# Altium PCB SPEC-A7.PcbDoc (part 6 of 10)
Units mil, origin at the board's own origin, x right, y up, seen from the top; angles counter-clockwise.
Board outline 6299.21 x 3937.01 mil, 6 copper layers (Top Layer, L2, L3, L4, L5, Bottom Layer), stack 61.319 mil thick; 731 components, 479 nets, 2733 pads, 1703 vias.
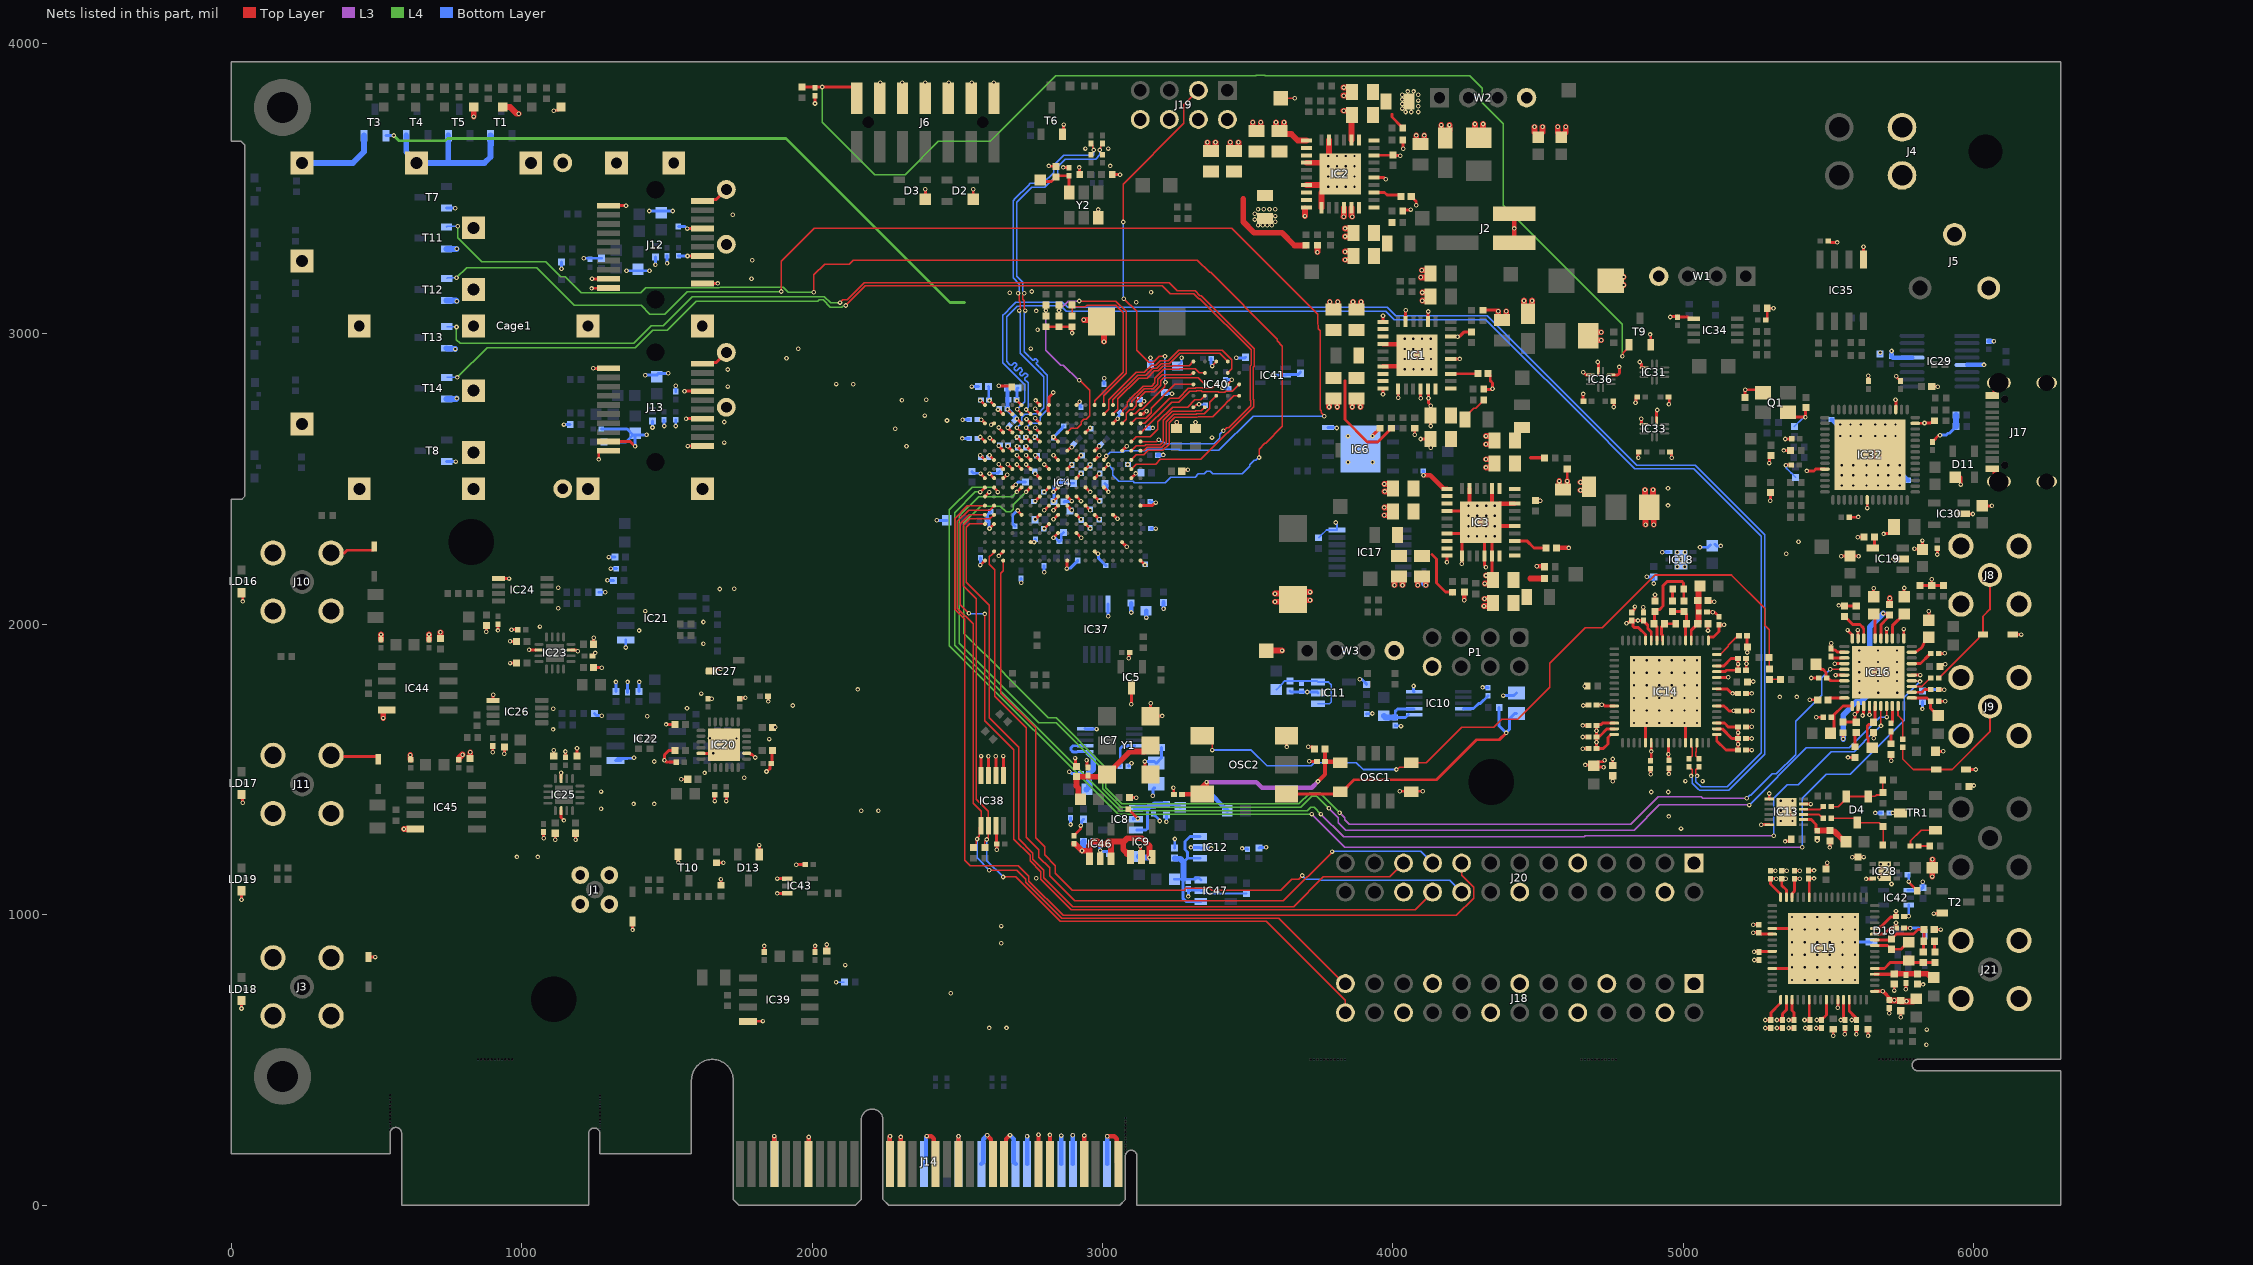
[diagram p10: the nets of this part, all layers, seen from the top]

## Via types
v1: diameter 15.75, hole 7.87, Top Layer to Bottom Layer, tented both sides, 1583 vias
v2: diameter 19.68, hole 7.87, Top Layer to Bottom Layer, tented both sides, 73 vias
v3: diameter 15.75, hole 7.87, Top Layer to Bottom Layer, 47 vias

## Nets (pads, with @x,y where several pads share a name; then routed paths per layer and width w, separated by ;. In a path a pad name is that pad's centre, name@x,y a point inside that pad or via, vN(x,y) a via of type N, cw(c..) or ccw(c..) an arc to the next point about the centre after c; other vN are vias at no path point) (continued)
GND: (continued)
  other v1: 5836.64,552.24 5837.41,604.61 2610.24,610.24 2669.29,610.24 2477.17,729.62 2114.17,826.77 2651.6,901.87 2651.6,960.93 5716.21,1105.86 2771.65,1125.98 5674.69,1129.04 5692.91,1149.61 5679.46,1174.09 5706.13,1174.09 983.73,1199.09 1054.98,1199.09 4991.5,1296.57 5335.28,1322.76 5375.28,1322.76 4949.74,1338.33 2169.29,1358.27 2228.35,1358.27 5335.28,1357.76 5375.28,1357.76 1273.41,1365 1385.4,1381.39 1456.66,1381.39 5335.28,1392.76 5375.28,1392.76 4888.9,1422.55 4947.95,1422.55 1273.41,1424.06 5006.84,1460.24 5065.89,1460.24 1766.34,1471.61 1629.92,1488.19 1456.69,1527.56 1659.67,1556.42 1852.58,1604.76 1739.67,1606.42 1108.25,1637.88 1432.74,1683.16 1108.54,1708.84 1569.38,1711.06 1933.07,1720.47 5901.02,1735.4 5331.07,1749.98 5390.12,1749.98 1618.17,1761.32 5606.06,1763.94 5671.06,1763.94 5736.06,1763.94 2157.48,1775.59 5605,1805 5670,1805 5735,1805 5605,1835 5670,1835 5735,1835 5605,1870 5670,1870 5735,1870 5605.14,1909.86 5670,1910 5735,1910 1625.98,1933.07 1404.4,1978.59 1062.99,1992.13 1625.98,2007.87 1425.82,2045.54 1125.98,2054.73 1682.51,2121.36 1732.28,2122.05 1125.98,2125.98 4873.28,2163.44 4978.18,2198.37 5004.85,2198.37 4991.64,2222.86 5354.24,2242.54 4978.3,2248.32 5004.97,2248.32 5396,2284.3 4260,2302.98 4289.25,2302.98 4320,2302.98 4350,2302.98 4260,2337.98 4320,2337.98 4350,2337.98 4260,2373.47 4290,2373.47 4320.75,2373.47 4350,2373.47 5632.76,2400.11 4260,2408.47 4290,2408.47 4320.75,2408.47 4350,2408.47 4946.83,2409.09 4946.83,2468.15 5545,2477.98 5585,2477.98 5630,2477.98 5670,2477.98 5705,2477.98 5745,2477.98 5545,2512.98 5585,2512.98 5630,2512.98 5670,2512.98 5705,2512.98 5545,2547.98 5585,2547.98 5630,2547.98 5670,2547.98 5705,2547.98 5745,2547.98 3845,2557.98 3929.63,2557.98 2325.03,2612.51 1697.68,2625.57 3376.86,2642.78 3845,2647.98 5540,2647.98 5575,2647.98 5610,2647.98 5660,2647.98 5695,2647.98 5730,2647.98 2286.07,2673.13 5575,2687.98 5610,2687.98 5660,2687.98 5695,2687.98 5730,2687.98 1697.68,2696.43 2464.48,2701.5 2388.31,2718.62 2309.39,2771.43 2393.17,2773.32 1709.49,2818.48 2082.87,2827.02 2141.73,2826.77 1710.02,2877.29 4040.63,2878.03 4070.63,2878.03 4100.63,2878.03 4130.63,2878.03 4040.63,2913.03 4070.63,2913.03 4100.63,2913.03 4130.63,2913.03 1911.81,2915.66 4040,2947.98 4070,2947.98 4100,2947.98 4130,2947.98 1952.76,2948.82 2752.76,2949.2 4040,2982.98 4070,2982.98 4100,2982.98 4130,2982.98 2776.31,3013.99 2771.65,3078.74 3116.22,3108.32 2680.35,3141.01 3167.16,3143.64 2755.91,3145.67 1791.43,3189.94 1793.63,3252.83 1726.89,3409.66 3777.19,3506.45 3807.19,3506.45 3837.19,3506.45 3867.19,3506.45 3777.19,3541.45 3807.19,3541.45 3837.19,3541.45 3867.19,3541.45 3777.19,3576.95 3807.19,3576.95 3837.19,3576.95 3867.19,3576.95 3026.22,3577.97 3777.19,3611.95 3807.19,3611.95 3837.19,3611.95 3867.19,3611.95 2940.94,3637.8 3019.68,3637.8
  other v2: 5374.02,775.59 5417.32,775.59 5460.63,775.59 5503.94,775.59 5547.24,775.59 5590.55,775.59 5374.02,818.9 5417.32,818.9 5460.63,818.9 5503.94,818.9 5547.24,818.9 5590.55,818.9 5374.02,862.2 5417.32,862.2 5460.63,862.2 5503.94,862.2 5547.24,862.2 5590.55,862.2 5374.02,905.51 5417.32,905.51 5460.63,905.51 5503.94,905.51 5547.24,905.51 5374.02,948.82 5417.32,948.82 5460.63,948.82 5503.94,948.82 5547.24,948.82 5590.55,948.82 5374.02,992.13 5417.32,992.13 5460.63,992.13 5503.94,992.13 5547.24,992.13 5590.55,992.13 4830.08,1659.75 4873.39,1659.75 4916.69,1659.75 4960,1659.75 5003.31,1659.75 5046.61,1659.75 4830.08,1703.06 4916.69,1703.06 4960,1703.06 5046.61,1703.06 4830.08,1746.36 4873.39,1746.36 5003.31,1746.36 5046.61,1746.36 4830.08,1789.67 4873.39,1789.67 4916.69,1789.67 4960,1789.67 5003.31,1789.67 5046.61,1789.67 4830.08,1832.98 4873.39,1832.98 4916.69,1832.98 4960,1832.98 5003.31,1832.98 5046.61,1832.98 4830.08,1876.28 4873.39,1876.28 4916.69,1876.28 4960,1876.28 5003.31,1876.28 5046.61,1876.28
GPIO0: IC4.M1 J20.17 | length 3316.8
  Top Layer w5: IC4.M1@2595.04,2408.49 2594.35,2407.8 2534.75,2407.8 2490.32,2363.36 2490.32,2051.78 2525,2017.09 2525,1187.98 2544.06,1168.92 2710.05,1168.92 2746.27,1132.69 2746.27,1115.47 2864.13,997.62 4217.72,997.62 4277.23,1057.12 4277.23,1094.94 4236.26,1135.91 J20.17@4236.26,1177.97
GPIO1: IC4.V3 J20.18 | length 2629.3
  Top Layer w5: IC4.V3@2658.03,2219.51 2658.03,2184.64 2649.63,2176.23 2649.63,1763.35 2769.93,1643.05 2769.93,1264.44 2800.42,1233.94 2800.42,1206.88 2837.85,1169.45 2837.85,1143.1 2895.95,1085 3281.17,1085 3286.81,1090.64 3369.93,1090.64 3375.56,1085 3612.88,1085 3650.86,1122.98 3674.72,1122.98 3686.7,1134.96 v1(3688.02,1134.96)
  Bottom Layer w5: v1(3688.02,1134.96) 3700,1122.98 3745.74,1122.98 3749.78,1118.94 4195.3,1118.94 J20.18@4236.26,1077.97
GPIO2: IC4.U2 J20.19 | length 2652.4
  Top Layer w5: IC4.U2@2626.54,2251.01 2626.54,2248.63 2619.43,2241.53 2619.43,2240.91 2610.51,2231.99 2610.51,2207.47 2629.63,2188.35 2629.63,1751.88 2737.51,1643.99 2737.51,1266.1 2780.42,1223.19 2780.42,1198.6 2817.85,1161.17 2817.85,1134.81 2905.05,1047.62 3622.42,1047.62 3790.31,1215.51 v1(3790.31,1217.56)
  Bottom Layer w5: v1(3790.31,1217.56) 3791.68,1218.94 4095.3,1218.94 J20.19@4136.26,1177.97
GPIO3: IC4.N1 J20.20 | length 2883
  Top Layer w5: v1(2540,2037.98) 2510.32,2067.66 2510.32,2345.47 2541.83,2376.99 IC4.N1@2595.04,2376.99 ; v1(2594.25,2035.61) 2595,2034.86 2595,1667.98 2695.1,1567.88 2695.1,1259.66 2750.42,1204.33 2750.42,1186.17 2787.85,1148.74 2787.85,1122.38 2892.62,1017.62 4075.9,1017.62 J20.20@4136.26,1077.97
  Bottom Layer w5: v1(2540,2037.98) 2541.19,2036.79 2593.07,2036.79 v1(2594.25,2035.61)
GPIO4: IC4.P1 J20.21 | length 2729
  Top Layer w5: IC4.P1@2595.04,2345.5 2542.52,2345.5 2530.32,2333.29 2530.32,2144.4 2609.63,2065.09 2609.63,1678.35 2710.71,1577.27 2710.71,1261.78 2760.42,1212.06 2760.42,1190.31 2797.85,1152.88 2797.85,1126.53 2896.76,1027.62 3657.54,1027.62 3759.84,1129.92 3988.21,1129.92 J20.21@4036.26,1177.97
GTP_CLK_REF_N: C47.1 IC14.45 | length 62
  Top Layer w5: C47.1@5019.1,1536.82 5019.1,1537.81 5025.46,1544.17 5027.17,1544.17 5030.1,1547.1 5030.1,1565.63 5030.27,1565.8 5030.27,1575.37 5026.93,1578.71 IC14.45@5026.93,1591.84
GTP_CLK_REF_P: C46.1 IC14.46 | length 62
  Top Layer w5: IC14.46@5046.61,1591.84 5046.61,1578.71 5043.27,1575.37 5043.27,1560.42 5043.1,1560.25 5043.1,1547.1 5046.03,1544.17 5047.74,1544.17 5054.1,1537.81 C46.1@5054.1,1536.82
HRAM_CK: IC4.B14 IC40.B2 | length 614.9
  Top Layer w5: IC4.B14@3004.49,2723.45 3021.59,2740.56 3021.59,2772.71 3116.51,2867.63 3144.43,2867.63 3168.89,2892.09 3183.24,2892.09 3198.78,2907.63 3226.36,2907.63 3261.61,2942.87 3412.94,2942.87 3445.19,2910.62 3445.19,2879.56 IC40.B2@3431,2865.37
HRAM_CKn: IC4.A15 IC40.B1 | length 490.9
  Top Layer w5: IC4.A15@3035.98,2754.95 3035.98,2772.96 3120.65,2857.63 3148.57,2857.63 3173.03,2882.09 3187.38,2882.09 3202.92,2897.63 3230.51,2897.63 3265.75,2932.87 3402.87,2932.87 IC40.B1@3431,2904.74
HRAM_CSn: IC4.D18 IC40.A3 | length 412.5
  Top Layer w5: IC4.D18@3130.47,2660.46 3132.85,2660.46 3136.64,2664.25 3137.03,2664.25 3238.02,2765.24 3263.12,2765.24 3299.69,2801.81 3322.91,2801.81 3324.76,2803.66 3340.39,2803.66 3343.22,2800.82 3397.51,2800.82 3399.49,2798.84 3421.35,2798.84 3424.32,2801.81 3446.18,2801.81 IC40.A3@3470.37,2826
HRAM_DQ0: IC4.C16 IC40.D3 | length 390.1
  Top Layer w5: IC4.C16@3067.48,2691.95 3081.87,2706.34 3081.87,2726.69 3094.37,2739.2 3103.58,2739.2 3116.08,2751.7 3116.08,2768.57 3147.83,2800.32 3178.07,2800.32 3200.56,2822.81 3200.56,2838.7 3210.36,2848.5 3329.76,2848.5 IC40.D3@3352.26,2826
HRAM_DQ1: IC4.B16 IC40.D2 | length 379.2
  Top Layer w5: IC4.B16@3067.48,2723.45 3069.16,2725.13 3069.16,2736.28 3084.59,2751.7 3084.59,2763.93 3090.66,2770 3090.66,2771.43 3139.54,2820.32 3169.78,2820.32 3180.56,2831.1 3180.56,2846.99 3211.2,2877.63 3264.02,2877.63 3265.95,2879.56 3318.77,2879.56 3332.96,2865.37 IC40.D2@3352.26,2865.37
HRAM_DQ2: IC4.F18 IC40.C4 | length 394
  Top Layer w5: IC4.F18@3130.47,2597.47 3132.15,2599.15 3143.42,2599.15 3153.24,2608.96 3203.27,2608.96 3218.8,2624.49 3218.8,2697.47 3244.4,2723.07 3322.91,2723.07 3324.88,2725.04 3350.11,2725.04 3368.86,2743.79 3368.86,2763.86 IC40.C4@3391.63,2786.63
HRAM_DQ3: IC4.E17 IC40.D4 | length 333.6
  Top Layer w5: IC4.E17@3098.98,2628.96 3116.08,2646.07 3164.77,2646.07 3190,2671.3 3190,2696.96 3241.08,2748.03 3293.59,2748.03 3318,2772.44 3338.07,2772.44 IC40.D4@3352.26,2786.63
HRAM_DQ4: IC4.F17 IC40.D5 | length 358.1
  Top Layer w5: IC4.F17@3098.98,2597.47 3116.08,2614.57 3144.71,2614.57 3149.1,2618.96 3199.13,2618.96 3208.8,2628.63 3208.8,2701.61 3240.25,2733.07 3318.77,2733.07 3320.74,2735.04 3340.04,2735.04 IC40.D5@3352.26,2747.26
HRAM_DQ5: IC4.C17 IC40.E3 | length 278.9
  Top Layer w5: IC4.C17@3098.98,2691.95 3116.08,2709.06 3148.42,2709.06 3166.89,2727.53 3166.89,2743.63 3249.26,2826 IC40.E3@3312.89,2826
HRAM_DQ6: IC4.A17 IC40.E2 | length 275.2
  Top Layer w5: IC4.A17@3098.98,2754.95 3100.66,2756.63 3100.66,2767.29 3143.68,2810.32 3173.92,2810.32 3190.56,2826.95 3190.56,2842.84 3206.22,2858.5 3303.75,2858.5 3310.62,2865.37 IC40.E2@3312.89,2865.37
HRAM_DQ7: IC4.B15 IC40.E1 | length 372.7
  Top Layer w5: IC4.B15@3035.98,2723.45 3053.09,2740.56 3053.09,2775.92 3124.79,2847.63 3153.61,2847.63 3178.07,2872.09 3191.53,2872.09 3207.06,2887.63 3239.77,2887.63 3241.71,2889.56 3297.71,2889.56 IC40.E1@3312.89,2904.74
HRAM_RSTn: IC4.G17 IC40.A4 | length 506
  Top Layer w5: IC4.G17@3098.98,2565.97 3116.08,2583.08 3141.5,2583.08 3156.94,2598.52 3206.97,2598.52 3228.8,2620.35 3228.8,2693.33 3248.04,2712.57 3326.55,2712.57 3329.02,2715.04 3379.48,2715.04 3416.81,2752.37 3416.81,2753.14 3433.01,2769.34 3433.78,2769.34 3451.07,2786.63 IC40.A4@3470.37,2786.63
HRAM_RWDS: IC4.C18 IC40.C3 | length 318.2
  Top Layer w5: IC4.C18@3130.47,2691.95 3145.46,2691.95 3232.13,2778.63 3262.37,2778.63 3295.55,2811.81 3318.77,2811.81 3320.62,2813.66 3344.53,2813.66 3346.38,2811.81 3377.44,2811.81 IC40.C3@3391.63,2826
HW_REV0: IC4.D10 R125.1 R128.2 | length 578.2
  Top Layer w5: R128.2@2805,3061.48 2805.17,3061.65 v1(2805.17,3080.48) ; v1@2805,3080.48 R125.1@2805,3099.47 ; IC4.D10@2878.5,2660.46 2892.89,2674.85 2913.24,2674.85 2927.11,2688.71 2927.11,2697.91 2935.54,2706.34 2944.74,2706.34 2955.89,2717.49 2955.89,2806.29 2922.17,2840 v1(2920,2840)
  L3 w5: v1(2805.17,3080.48) 2805.17,2942.81 2855.55,2892.43 2864.89,2892.43 2917.32,2840 v1(2920,2840)
HW_REV1: IC4.A14 R126.1 R129.2 | length 613.4
  Top Layer w5: v1(2920,3112.98) 2938.26,3112.98 2938.63,3112.6 3045.59,3112.6 3081.24,3076.95 3081.24,2864.38 3004.49,2787.63 IC4.A14@3004.49,2754.95
  L3 w5: v1(2850,3080.48) 2882.5,3112.98 v1(2920,3112.98)
HW_REV2: IC4.A13 R127.1 R130.2 | length 588.3
  Top Layer w5: R130.2@2895,3061.48 R127.1@2895,3099.47 2901.13,3093.35 2941.21,3093.35 2946.59,3098.73 3045.32,3098.73 3071.24,3072.81 3071.24,2868.52 2972.99,2770.28 IC4.A13@2972.99,2754.95
I2C_SCL: IC4.N2 IC38.6 J18.26 R41.1 | length 2820.7
  Top Layer w5: R41.1@2595,1231.48 2595,1252.98 v1(2601.1,1259.08) 2607.2,1265.18 IC38.6@2607.2,1306.36 2607.2,1355.77 2565,1397.98 2565,2005.38 2564.63,2005.75 2564.63,2088.35 2520.32,2132.66 2520.32,2340.4 2542.51,2362.6 2612.15,2362.6 IC4.N2@2626.54,2376.99 ; v1(2657.48,1129.92) 2700.79,1129.92 2853.84,976.87 3564.44,976.87 3836.26,705.05 J18.26@3836.26,662.98
  Bottom Layer w5: v1(2601.1,1259.08) 2601.1,1186.3 v1(2657.48,1129.92)
I2C_SDA: IC4.M2 IC38.5 J18.25 R40.1 | length 2835.6
  Top Layer w5: R40.1@2555,1231.48 2555.79,1231.48 2564.7,1240.4 2564.7,1254.55 2568.07,1257.92 v1(2568.07,1260.82) 2568.07,1263.73 2575.26,1270.92 2575.26,1300.01 IC38.5@2581.61,1306.36 2581.61,1356.36 2555,1382.98 2555,2001.24 2500.32,2055.92 2500.32,2354.52 2538.77,2392.98 2611.02,2392.98 IC4.M2@2626.54,2408.49 ; v1(2610.24,1153.54) 2704.72,1153.54 2736.27,1121.99 2736.27,1111.33 2859.99,987.62 3606.87,987.62 3831.51,762.98 J18.25@3836.26,762.98
  Bottom Layer w5: v1(2568.07,1260.82) 2568.07,1195.71 v1(2610.24,1153.54)
LED0: IC4.H14 T11.1 | length 4263.1
  Top Layer w5: v1(2005.62,3143.12) 2006.55,3144.06 2006.55,3202.93 2043.01,3239.39 2128.57,3239.39 2142.16,3252.98 3326.82,3252.98 3368.51,3211.29 3372.68,3211.29 3601.81,2982.16 3601.81,2975.31 3619.37,2957.75 3619.37,2680.94 3561.23,2622.8 3558.23,2622.8 3538.8,2603.38 v1(3538.8,2574.18)
  Top Layer w10: IC4.H14@3004.49,2534.47 v1(3020.24,2550.22)
  L4 w5: v1(779.53,3370.08) 779.53,3330.93 862.9,3247.56 1083.15,3247.56 1133.86,3196.85 1149.61,3196.85 1205.45,3141 1409.63,3141 1426.56,3157.93 1680.86,3157.93 1683.97,3161.04 1900.07,3161.04 1918.55,3142.56 2005.05,3142.56 v1(2005.62,3143.12)
  Bottom Layer w5: T11.1@741.18,3367.36 743.9,3370.08 v1(779.53,3370.08) ; v1(3020.24,2550.22) 3035.98,2534.47 3035.98,2512.61 3045.61,2502.98 3055.61,2492.98 3105,2492.98 3110,2487.98 3215.86,2487.98 3234.9,2507.02 3319.04,2507.02 3330,2517.98 3350.21,2517.98 3358.63,2526.4 3371.37,2526.4 3379.41,2518.35 3480.37,2518.35 3506.66,2544.64 3506.66,2549.64 3522.36,2565.34 3527.06,2565.34 3535.89,2574.18 v1(3538.8,2574.18)
LED1: IC4.G14 T12.1 | length 4575.9
  Top Layer w5: v1(1893.7,3145.67) 1893.7,3250.08 2006.18,3362.56 ; 2006.18,3362.98 3445,3362.98 3740.37,3067.6 3740.37,3032.42 3743.43,3029.37 3743.43,3017.54 3749.94,3011.03 3749.94,2739.15 3753.14,2735.94 3753.14,2727.64 3763.78,2717 v1(3763.78,2716.54)
  Top Layer w10: IC4.G14@3004.49,2565.97 3004.49,2566.99 3011.44,2573.94 3011.44,2578.32 v1(3012.54,2579.42)
  L4 w5: v1(775.59,3192.91) 810.24,3227.56 1051.18,3227.56 1181.18,3097.56 1411.18,3097.56 1441.38,3067.36 1492.56,3067.36 1570.87,3145.67 v1(1893.7,3145.67)
  Bottom Layer w5: T12.1@741.46,3189.96 744.41,3192.91 v1(775.59,3192.91) ; v1(3012.54,2579.42) 3026.1,2592.98 3071.27,2592.98 3075.97,2597.69 3149.38,2597.69 3154.67,2602.98 3206.17,2602.98 3207.15,2602 3262.72,2602 3266.2,2598.52 3400.54,2598.52 3518.56,2716.54 v1(3763.78,2716.54)
LED2: IC4.H17 T13.1 | length 3739.6
  Top Layer w5: v1(2096.18,3107.56) 2106.31,3117.69 2121.31,3117.69 2178.56,3174.94 ; 2178.56,3175.35 3230.16,3175.35 3257.72,3147.8 3318.87,3147.8 3335.37,3131.29 3339.55,3131.29 3521.81,2949.02 3521.81,2888.53 3518.63,2885.35 3518.63,2774.92 3520.4,2773.15 3520.4,2748.93 3338.96,2567.49 3198.63,2567.49 3182.72,2551.58 3116.08,2551.58 IC4.H17@3098.98,2534.47
  L4 w5: v1(775.59,3023.62) 775.59,2980.31 788.35,2967.56 1386.18,2967.56 1446.18,3027.56 1488.19,3027.56 1587.82,3127.19 2012.55,3127.19 2013.3,3127.93 2041.69,3127.93 2063.43,3106.19 2094.81,3106.19 v1(2096.18,3107.56)
  Bottom Layer w5: T13.1@741.46,3024.96 742.8,3023.62 v1(775.59,3023.62)
LED3: IC4.E18 T14.1 | length 3656.7
  Top Layer w5: v1(2116.18,3097.56) 2183.56,3164.94 ; 2183.56,3165.35 3204.72,3165.35 3232.28,3137.8 3314.72,3137.8 3331.23,3121.29 3335.4,3121.29 3511.81,2944.88 3511.81,2892.67 3508.63,2889.49 3508.63,2770.78 3510.4,2769.01 3510.4,2753.08 3433.75,2676.42 3428,2676.42 3418.05,2666.48 v1(3416.2,2666.48) ; IC4.E18@3130.47,2628.96 3184.48,2628.96 3190.52,2635 v1(3193.43,2635)
  L4 w5: v1(778.78,2849.96) 881.38,2952.56 1391.18,2952.56 1451.18,3012.56 1500.75,3012.56 1600.75,3112.56 2019.44,3112.56 2024.81,3117.93 2037.55,3117.93 2063.3,3092.19 2102.55,3092.19 2105.87,3095.5 2114.12,3095.5 v1(2116.18,3097.56)
  Bottom Layer w5: T14.1@741.46,2849.96 v1(778.78,2849.96) ; v1(3193.43,2635) 3196.33,2635 3202.7,2628.63 3208.8,2628.63 3215.43,2622 3383.77,2622 3402.8,2641.03 3402.8,2653.44 3415.83,2666.48 v1(3416.2,2666.48)
LMX_CS: IC4.K2 IC16.24 | length 4736.3
  Top Layer w5: IC16.24@5786.14,1805.47 5787.2,1804.41 5813.43,1804.41 v1(5814.49,1803.35) v1@5814.49,1804.49
  Top Layer w10: IC4.K2@2626.54,2471.48 2626.54,2470.46 2638.07,2458.92 2638.07,2456.28 v1(2639.17,2455.18)
  L3 w5: v1(3720.47,1346.46) 3834.65,1232.28 v1(5409.45,1232.28)
  L4 w5: v1(2639.17,2455.18) 2639.17,2455.32 2622.63,2471.86 2550.6,2471.86 2472.8,2394.06 2472.8,1926.88 3053.22,1346.46 v1(3720.47,1346.46)
  Bottom Layer w5: v1(5409.45,1232.28) 5409.45,1401.57 5492.13,1484.25 5574.8,1484.25 5759.84,1669.29 5759.84,1748.7 v1(5814.49,1803.35)
LMX_SCK: IC4.K1 IC16.16 | length 4374
  Top Layer w5: IC16.16@5679.84,1718.86 5679.96,1718.74 5679.96,1650.27 v1(5680.07,1650.15) v1@5680.07,1650.07
  Top Layer w10: v1(2579.29,2455.18) 2579.29,2455.46 2595.04,2471.21 IC4.K1@2595.04,2471.48
  L3 w5: v1(3751.97,1346.46) 3830.71,1267.72 4658.43,1267.72 4662.37,1271.65 v1(5311.02,1271.65)
  L4 w5: v1(2579.29,2455.18) 2578.74,2455.73 2562.07,2455.73 2490.5,2384.16 2490.5,1927.89 3060.12,1358.27 3704.72,1358.27 3716.54,1370.08 3728.35,1370.08 v1(3751.97,1346.46)
  Bottom Layer w5: v1(5311.02,1271.65) 5311.02,1401.57 5356.54,1447.09 5395.43,1447.09 5509.55,1561.21 5587.22,1561.21 5656.9,1630.89 5660.82,1630.89 v1(5680.07,1650.15)
LMX_SDI: IC4.K5 IC16.17 | length 4434.4
  Top Layer w5: v1(5699.53,1680.47) IC16.17@5699.53,1718.86
  Top Layer w10: v1(2705.28,2455.73) IC4.K5@2721.02,2471.48
  L3 w5: v1(3779.53,1366.14) 3811.02,1334.65 3811.02,1316.84 3836.53,1291.34 4830.71,1291.34 4917.32,1377.95 5225.79,1377.95 v1(5226.15,1377.6)
  L4 w5: v1(2705.28,2455.73) 2689.15,2439.61 2648.83,2439.61 2648.65,2439.79 2573.02,2439.79 2506.74,2373.52 2506.74,1935.02 2780.35,1661.42 2840.35,1661.42 3001.33,1500.44 3001.33,1433.35 3064.6,1370.08 3681.92,1370.08 3720.47,1408.63 3737.04,1408.63 v1(3779.53,1366.14)
  Bottom Layer w5: v1(5226.15,1377.6) 5423.35,1574.8 5570.87,1574.8 5676.54,1680.47 v1(5699.53,1680.47)
LMX_SYNC: IC4.K6 IC16.5 | length 4391.5
  Top Layer w5: v1(5505,1845) 5505.08,1844.92 5553.78,1844.92 IC16.5@5553.86,1844.84
  Top Layer w10: v1(2736.77,2455.73) IC4.K6@2752.52,2471.48
  L3 w5: v1(3815.99,1351.42) 3833.42,1333.99 3833.42,1326.39 3848.79,1311.02 4818.9,1311.02 4913.39,1405.51 5061.86,1405.51 5066.23,1401.14 v1(5217.61,1401.14)
  L4 w5: v1(2736.77,2455.73) 2692.33,2411.29 2692.33,2396.43 2683.33,2387.43 2668.14,2387.43 2648.65,2406.91 2580.14,2406.91 2522.99,2349.76 2522.99,1969.14 2662.72,1829.4 2662.72,1828.51 2813.63,1677.6 2839.83,1677.6 3011.33,1506.11 3011.33,1437.49 3066.93,1381.89 3675.85,1381.89 3712.6,1418.63 3748.78,1418.63 v1(3815.99,1351.42)
  Bottom Layer w5: v1(5217.61,1401.14) 5218.16,1401.14 5228.76,1411.73 5232.29,1411.73 5305.95,1485.39 5319.8,1485.39 5385.83,1551.42 5385.83,1665.35 5476.38,1755.91 5476.38,1816.38 v1(5505,1845)
LOCK: IC4.B17 J19.3 | length 1406.4
  Top Layer w5: v1(3070.82,3385.08) 3070.82,3515.7 3280,3724.88 3280,3787.98 J19.3@3330,3837.98 ; v1(3073.05,3121.03) 3116.92,3077.15 3116.92,2943.91 3158.74,2902.09 3174.96,2902.09 3195.87,2923 v1(3215,2923) ; IC4.B17@3098.98,2723.45 3100.66,2725.13 3111.8,2725.13 3127.23,2740.56 3136.43,2740.56 3147.98,2752.1 3149.37,2752.1 3215.02,2817.75 3215.02,2831.41 v1(3216.73,2833.12)
  Bottom Layer w5: v1(3070.82,3385.08) 3071.93,3383.96 3071.93,3122.14 v1(3073.05,3121.03) ; v1(3215,2923) 3215,2834.85 v1(3216.73,2833.12)
MGTAVCC: C56.2 C57.2 C58.2 C59.2 C60.2 C61.2 IC4.B4 IC4.C5 IC4.E5 IC4.F5 R180.2 | length 209
  Top Layer w10: v1@2673.04,2739.99 IC4.B4@2689.53,2723.45 ; v1(2705.28,2613.21) IC4.F5@2721.02,2597.47 ; v1(2705.28,2644.71) IC4.E5@2721.02,2628.96 ; v1(2705.28,2707.7) IC4.C5@2721.02,2691.95